# Altium PCB PCB.PcbDoc (part 4 of 4) (continued)
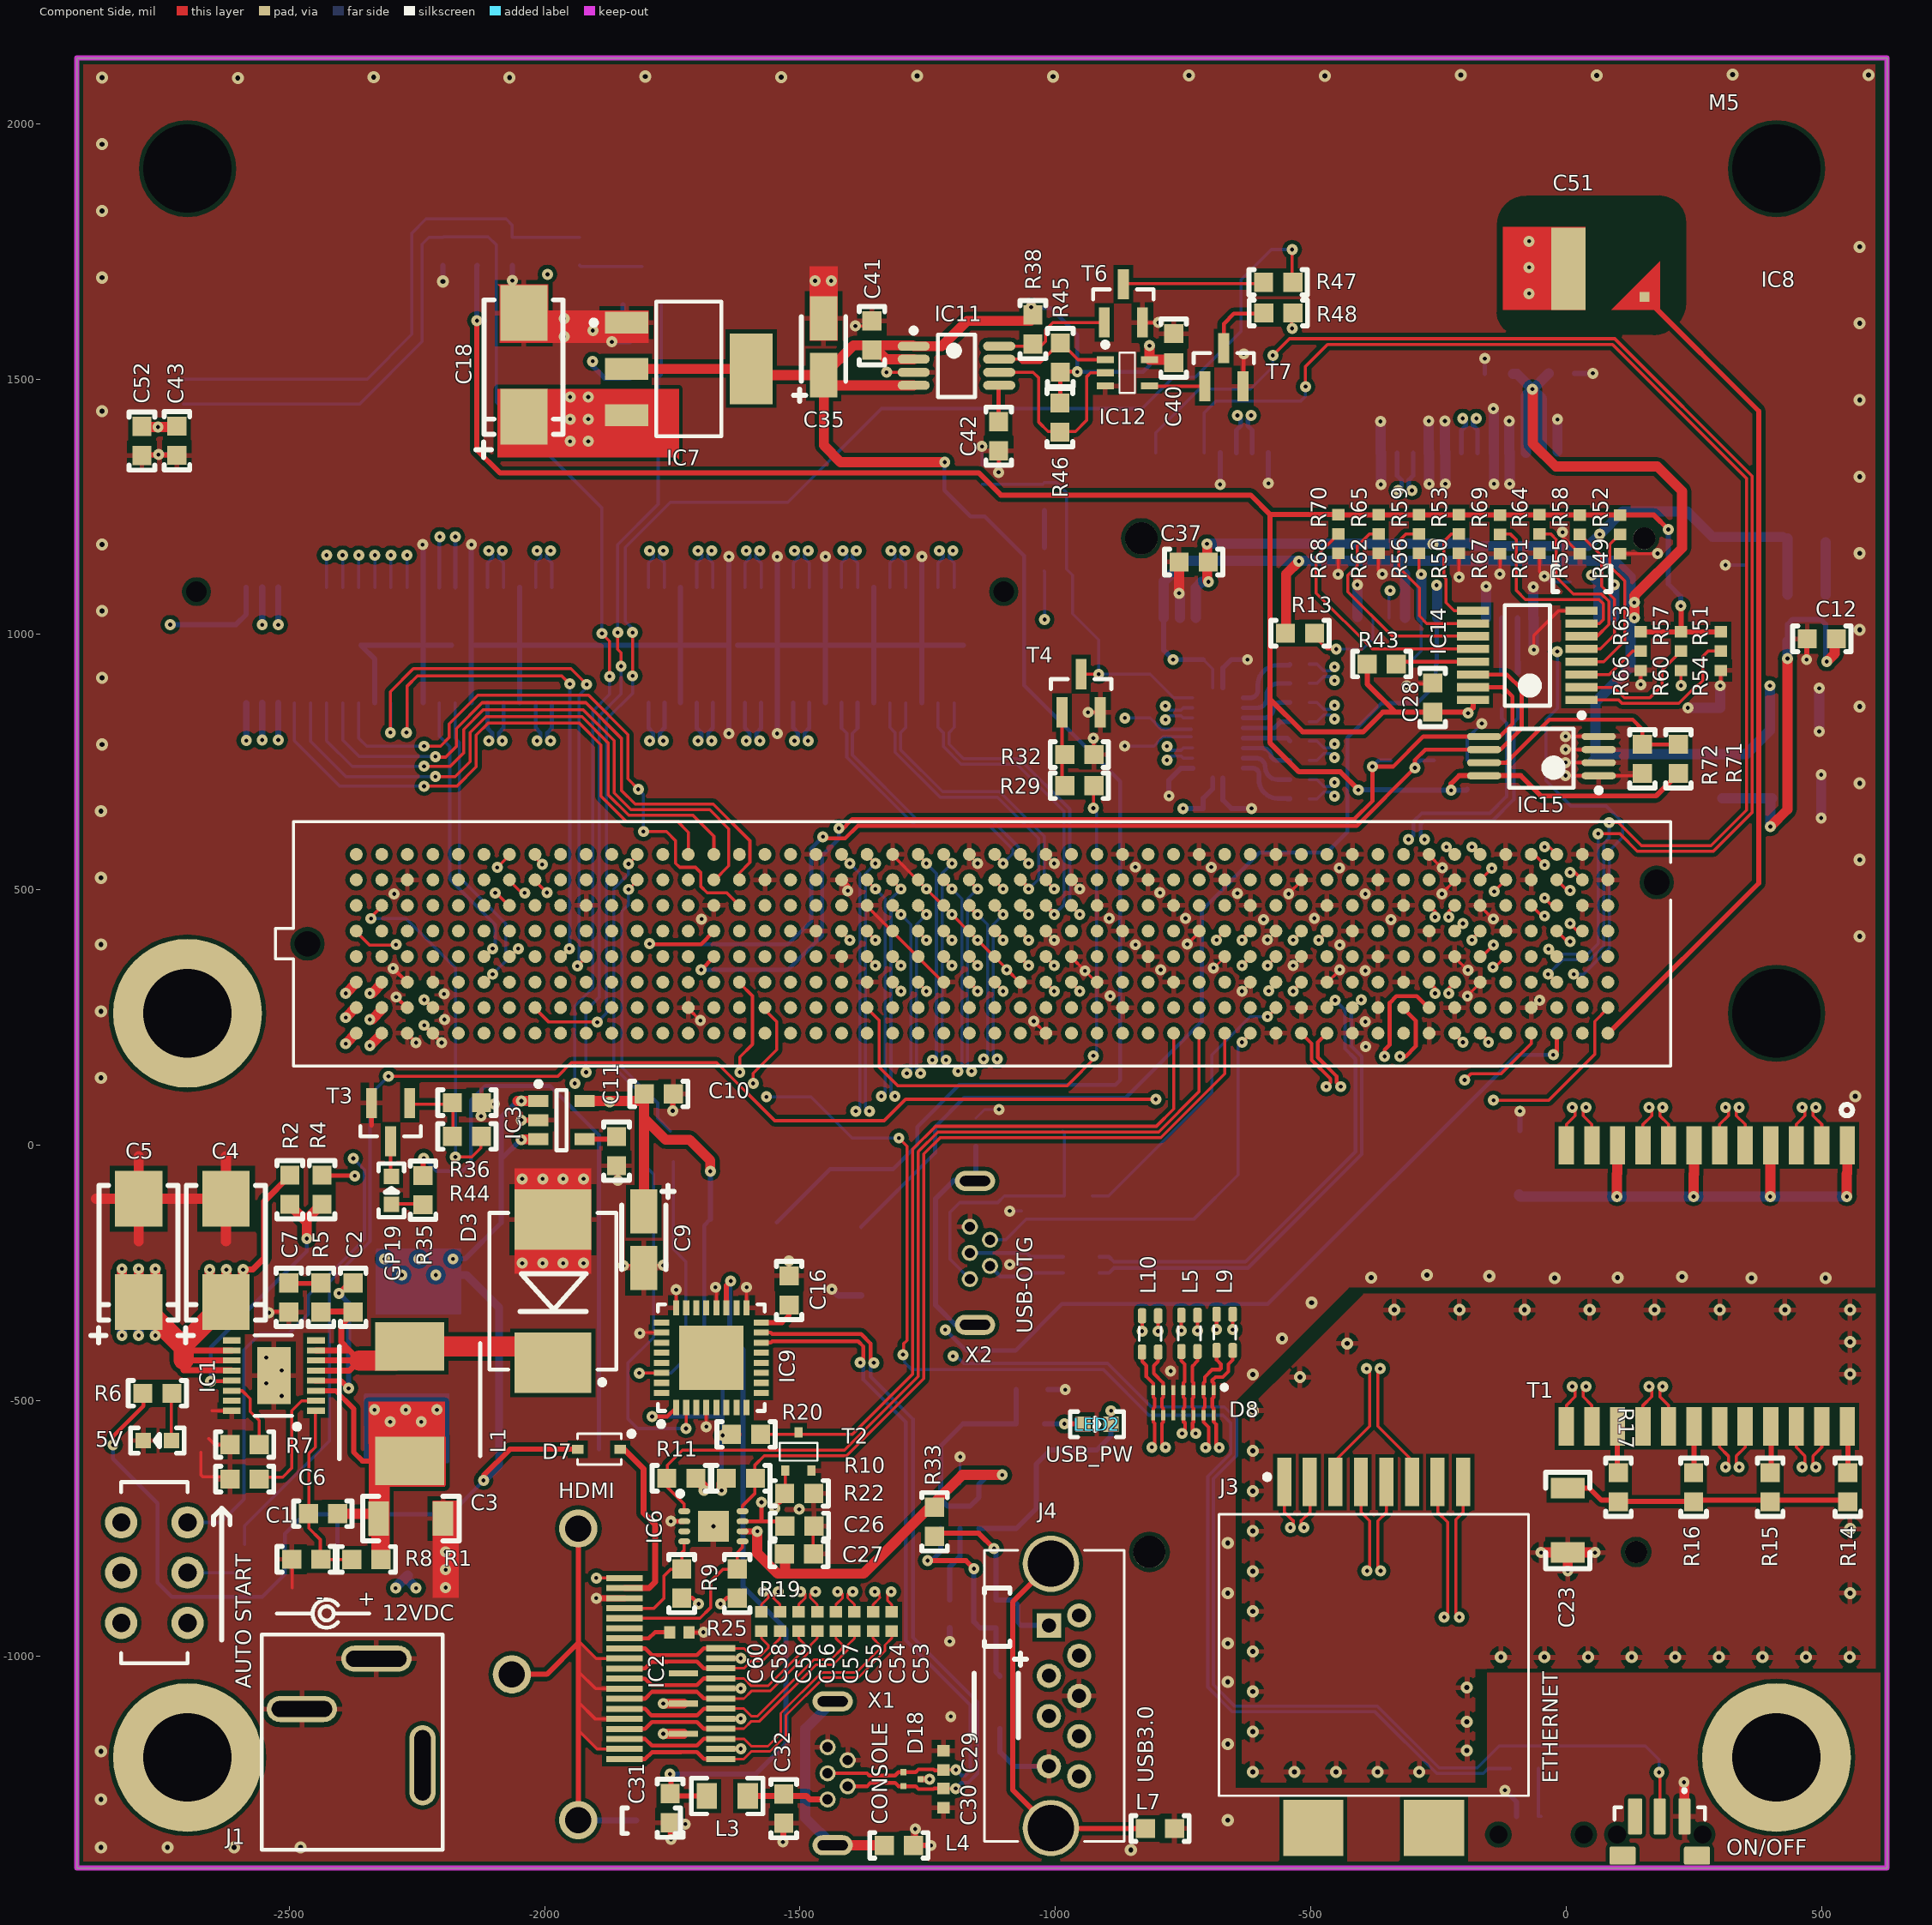
[diagram p0: Component Side view]
## Nets (pads, with @x,y where several pads share a name; then routed paths per layer and width w, separated by ;. In a path a pad name is that pad's centre, name@x,y a point inside that pad or via, vN(x,y) a via of type N, cw(c..) or ccw(c..) an arc to the next point about the centre after c; other vN are vias at no path point) (continued)
  Component Side w6.89: v1(-706.2,-591.84) -700.26,-585.9 -700.26,-552.02 -710.18,-542.1 D8.13@-710.18,-528.45 -710.18,-515.1 -707.72,-512.64 -707.72,-495.56 -710.18,-493.1 D8.13@-710.18,-479.24 -710.18,-465.1 -707.72,-462.64 -707.72,-453.73 -693.07,-439.08 -678.4,-439.08 -676.16,-436.84 -676.16,-428.47 -684.53,-420.1 L9.3@-684.53,-401.56
  Fast Signals w5.98: J4.6@-953.78,-1156.54 -919.9,-1190.41 -801.77,-1190.41 -698.37,-1087.01 -698.37,-599.68 v1(-706.2,-591.84)
USB3_RX_N: IC8.F44 L9.1 | length 1049.9
  Component Side w6.89: v1(-653.03,-360.87) L9.1@-653.03,-330.69 ; v1(-230.37,446.85) -230.37,457.78 IC8.F44@-218.66,469.49
  Fast Signals w5.98: v1(-653.03,-360.87) -663.29,-350.62 -663.29,-294.26 -286.95,82.08 -286.95,317.14 -238.17,365.92 -238.17,439.06 v1(-230.37,446.85)
  Fast Signals w7.01: v1@-230.37,445.93 v1(-230.37,446.85)
USB3_RX_P: IC8.F43 L9.2 | length 1049
  Component Side w6.89: v1(-684.53,-360.87) L9.2@-684.53,-330.69 ; IC8.F43@-268.66,469.49 -256.95,457.78 v1(-256.95,446.85)
  Fast Signals w5.98: v1(-684.53,-360.87) -674.27,-350.62 -674.27,-289.71 -297.93,86.63 -297.93,321.69 -249.15,370.47 -249.15,439.06 v1(-256.95,446.85)
USB3_TX_L_N: D8.9 J4.8 L10.2 | length 1024.7
  Component Side w6.89: L10.2@-799.03,-404.56 -799.03,-423.1 -807.4,-431.47 -807.4,-446.63 -788.92,-465.1 D8.9@-788.92,-479.24 -788.92,-493.1 -791.38,-495.56 -791.38,-512.64 -788.92,-515.1 D8.9@-788.92,-528.45 -788.92,-542.1 -791.38,-544.56 -791.38,-584.41 v1(-784.67,-591.13)
  Fast Signals w5.98: J4.8@-953.78,-999.05 -919.9,-965.17 -905.1,-965.17 -874.43,-995.85 -813.51,-995.85 -779.92,-962.25 -776.7,-959.04 -776.7,-906.68 -779.92,-903.46 -829.72,-853.66 -876.58,-853.66 -910.33,-819.91 -910.33,-776.85 -957.71,-729.48 -957.71,-686.69 -920.91,-649.89 -818.31,-649.89 -792.5,-624.09 -792.5,-598.96 v1(-784.67,-591.13)
USB3_TX_L_P: D8.8 J4.9 L10.1 | length 1003.8
  Component Side w6.89: L10.1@-830.53,-404.56 -830.53,-423.1 -822.16,-431.47 -822.16,-452.74 -808.61,-466.3 D8.8@-808.61,-479.24 -808.61,-493.1 -806.15,-495.56 -806.15,-512.64 -808.61,-515.1 D8.8@-808.61,-528.45 -808.61,-542.1 -806.15,-544.56 -806.15,-585.95 v1(-811.32,-591.13)
  Fast Signals w5.98: J4.9@-953.78,-920.31 -919.9,-954.18 -900.55,-954.18 -869.88,-984.86 -818.06,-984.86 -787.69,-954.49 -787.69,-911.23 -834.27,-864.64 -881.13,-864.64 -921.32,-824.46 -921.32,-781.4 -965.48,-737.24 -968.69,-734.03 -968.69,-682.14 -925.46,-638.91 -822.86,-638.91 -803.48,-619.54 -803.48,-598.96 v1(-811.32,-591.13)
USB3_TX_N: IC8.C44 L10.3 | length 1302.7
  Component Side w6.89: v1(-799.03,-363.87) L10.3@-799.03,-333.69 ; v1(-230.37,297.24) -230.37,307.78 IC8.C44@-218.66,319.49
  Fast Signals w5.98: v1(-799.03,-363.87) -809.29,-353.62 -809.29,-342.19 -826.79,-324.69 -850.54,-324.69 -870.73,-344.89 -870.73,-369.52 -833.22,-407.03 -644.22,-407.03 -606.71,-369.52 -606.71,-313.03 -238.17,55.51 -238.17,289.45 v1(-230.37,297.24)
USB3_TX_P: IC8.C43 L10.4 | length 1229.9
  Component Side w6.89: v1(-830.53,-363.87) L10.4@-830.53,-333.69 ; IC8.C43@-268.66,319.49 -256.95,307.78 v1(-256.95,297.24)
  Fast Signals w5.98: v1(-830.53,-363.87) -820.27,-353.62 -820.27,-346.74 -831.34,-335.68 -845.99,-335.68 -859.75,-349.44 -859.75,-364.98 -828.67,-396.05 -648.77,-396.05 -617.69,-364.98 -617.69,-308.48 -249.15,60.06 -249.15,289.45 v1(-256.95,297.24)
USB_D_N: C30.2 D18.2 IC9.15 X1.2 | length 1444.2
  Component Side w5: C30.2@-1217.55,-1259.09 v3(-1195.3,-1259.09)
  Component Side w7.09: IC9.15@-1576.11,-366.63 -1557.3,-366.63 -1554.54,-369.39 -1380.39,-369.39 -1361.78,-388 -1361.78,-419.62 v1(-1355.55,-425.84) ; X1.2@-1397.61,-1245.84 X1.2@-1406.69,-1254.92 -1368.75,-1254.92 -1361.75,-1247.93 -1313.99,-1247.93 -1307.3,-1254.62 D18.2@-1297.28,-1254.62 -1273.82,-1254.62 -1268.31,-1260.13 -1238.56,-1260.13 -1237.37,-1258.95 C30.2@-1217.55,-1258.95
  Solder Side w7.09: v1(-1355.55,-425.84) -1361.78,-432.07 -1361.78,-453.11 -1278.93,-535.95 -1278.93,-963.25 -1152.53,-1089.65 -1152.53,-1229.51 -1170.95,-1247.93 -1184.14,-1247.93 v3(-1195.3,-1259.09)
USB_D_P: C29.2 D18.1 IC9.14 X1.3 | length 1423.1
  Component Side w5: C29.2@-1217.55,-1222.6 v3(-1194.8,-1222.6)
  Component Side w7.09: IC9.14@-1576.11,-386.32 -1557.3,-386.32 -1554.54,-383.56 -1386.26,-383.56 -1375.95,-393.87 -1375.95,-419.16 v1(-1382.17,-425.38) ; X1.3@-1446.06,-1229.33 -1368.88,-1229.33 -1364.46,-1233.76 -1313.99,-1233.76 -1307.3,-1227.06 D18.1@-1297.28,-1227.06 -1273.82,-1227.06 -1268.31,-1221.55 -1238.56,-1221.55 -1236.37,-1223.74 C29.2@-1217.55,-1223.74
  Solder Side w7.09: v1(-1382.17,-425.38) -1375.95,-431.61 -1375.95,-458.98 -1293.11,-541.82 -1293.11,-969.12 -1166.7,-1095.52 -1166.7,-1223.64 -1176.82,-1233.76 -1183.64,-1233.76 v3(-1194.8,-1222.6)
USB_VBUS_EN: IC8.A18
VCC_USB: J4.1 L6.2 R33.1 | length 386.8
  Component Side w10: R33.1@-1241.55,-759.34 -1150.3,-759.34 v1(-1120.28,-789.37)
  Solder Side w10: v1(-1120.28,-789.37) -1116.55,-793.09 -1116.55,-889.84 -1083.55,-889.84 -1073.15,-900.24 -1073.15,-933.84 -1067,-940 J4.1@-1012.83,-940 J4.1@-1017.68,-944.84
VCC_USB0: R37.1 TP12.1 X2.1 | length 511.3
  Solder Side w6: X2.1@-1167.52,-261.81 -1206.89,-222.44 -1206.89,-131.89 -1187.2,-112.2 -1112.88,-112.2 -1099.8,-99.13 -982.78,-99.13 -982.78,24.39 TP12.1@-985.55,27.16
VDD_RTC: C51.1 IC8.A50 | length 1657.9
  Component Side w10: IC8.A50@81.34,217.91 376.6,513.17 376.6,1437.1 C51.1@152.87,1660.83
VIN: C4.1 C5.1 C18.1 D4.C IC1.VIN IC7.3 IC8.A1 IC8.A2 IC8.B1 IC8.B2 IC8.C1 IC8.C2 J1.1 J2.75 J2.76 J2.77 J2.78 J2.79 R2.2 TP1.1 | length 2061.3
  Component Side w11.81: -2706.55,-420.18 -2705.47,-421.26 IC1.VIN@-2612.22,-421.26 ; -2706.55,-395.02 -2700,-401.57 IC1.VIN@-2612.22,-401.57 ; -2706.36,-439.96 -2706.13,-440.19 -2612.98,-440.19 IC1.VIN@-2612.22,-440.94 ; v3(-2590.21,-243.25) -2571.2,-243.25 -2548.58,-220.63 -2548.58,-109.38 R2.2@-2498.55,-59.34
  Component Side w19.68: v3(-2827.17,-241.73) -2827.17,-274.41 C5.1@-2794.55,-307.02 ; v3(-2794.55,-241.73) C5.1@-2794.55,-307.02 ; v3(-2761.94,-241.73) -2761.94,-274.41 C5.1@-2794.55,-307.02 ; -2706.55,-395.02 -2706.55,-390.02 ; v3(-2655.44,-243.25) -2655.44,-275.92 C4.1@-2622.83,-308.54 ; v3(-2622.83,-243.25) C4.1@-2622.83,-308.54 ; v3(-2590.21,-243.25) -2590.21,-275.92 C4.1@-2622.83,-308.54 ; v1@-2338.15,297.24 IC8.C2@-2317.48,317.91
  Component Side w20: v1(-2389.33,198.82) IC8.A1@-2368.66,219.49 ; v1(-2389.33,250) IC8.B1@-2368.66,270.67 ; v1(-2389.33,297.24) IC8.C1@-2368.66,317.91 ; v1(-2342.09,194.88) IC8.A2@-2321.42,215.55 ; v1@-2338.15,246.06 IC8.B2@-2317.48,266.73
  Component Side w39.37: C5.1@-2794.55,-307.02 -2706.55,-395.02 -2706.55,-420.18 ; -2706.55,-390.02 C4.1@-2623.55,-307.02
  Solder Side w12: v1(-2583.78,792.28) J2.79@-2583.78,865.3 ; v1(-2552.78,793.28) -2552.78,866.3 J2.77@-2552.72,866.3 ; v1(-2552.78,1018.87) -2552.78,1091.89 J2.78@-2552.72,1091.89 ; v1(-2521.28,793.28) -2521.28,866.3 J2.75@-2521.22,866.3 ; v1(-2521.28,1018.87) -2521.28,1091.89 J2.76@-2521.22,1091.89
  Solder Side w19.68: v3(-2827.17,-372.32) -2827.17,-339.64 D4.C@-2794.55,-307.02 ; v3(-2794.55,-372.32) D4.C@-2794.55,-307.02 ; v3(-2761.94,-372.32) -2761.94,-339.64 D4.C@-2794.55,-307.02 ; v1@-2289.96,-863.66 TP1.1@-2267.96,-841.66 ; TP1.1@-2269.55,-844.84 -2269.55,-848.84 v1(-2251.55,-866.84)
  other v1: -2291.55,-866.84 -2342.09,246.06 -2342.09,297.24 -1949.92,1378.11 -1914.49,1378.11 -1949.92,1421.42 -1914.49,1421.42 -1949.92,1464.72 -1914.49,1464.72
VIN_PWR_BAD: IC8.B8 R47.2 | length 2769.3
  Component Side w6: IC8.B8@-2018.66,267.91 -1992.62,241.87 -1897.78,241.87 v1(-1896.78,240.87) ; v1(-1827.78,918.87) v1(-1827.78,1003.87) ; R47.2@-536.78,1678.87 v1(-536.78,1753.46)
  Solder Side w6: v1(-1896.78,240.87) -1878.78,258.87 -1878.78,833.87 -1827.78,884.87 v1(-1827.78,918.87) ; v1(-1827.78,1003.87) -1827.78,1011.72 -1841.78,1025.72 -1841.78,1170.87 -1753.78,1258.87 -1523.78,1258.87 -1340.5,1442.16 -830.55,1442.16 -769.04,1503.67 -726.04,1503.67 -636.55,1593.16 -636.55,1694.16 -577.2,1753.51 v1@-545.07,1753.51
pads on no net: "AUTO START.4" "AUTO START.5" "AUTO START.6" D2.1 HDMI.14 IC1.8 IC1.9 IC1.15 IC2.15 IC6.3 IC8.0 IC8.A5 IC8.A6 IC8.A7 IC8.A8 IC8.A9 IC8.A10 IC8.A11 IC8.A12 IC8.A13 IC8.A14 IC8.A15 IC8.A16 IC8.A17 IC8.A19 IC8.A22 IC8.A23 IC8.A24 IC8.A25 IC8.A26 IC8.A27 IC8.A29 IC8.A30 IC8.A31 IC8.A32 IC8.A41 IC8.A42 IC8.A46 IC8.A49 IC8.B5 IC8.B6 IC8.B7 IC8.B9 IC8.B10 IC8.B11 IC8.B12 IC8.B13 IC8.B15 IC8.B16 IC8.B18 IC8.B19 IC8.B20 IC8.B22 IC8.B23 IC8.B24 IC8.B25 IC8.B26 IC8.B27 IC8.B28 IC8.B29 IC8.B30 IC8.B32 IC8.B34 IC8.B35 IC8.B36 IC8.B45 IC8.B46 IC8.B48 IC8.B49 IC8.C5 IC8.C7 IC8.C8 IC8.C9 IC8.C10 IC8.C11 IC8.C12 IC8.C13 IC8.C14 IC8.C15 IC8.C17 IC8.C18 IC8.C19 IC8.C20 IC8.C31 IC8.C32 IC8.C34 IC8.C35 IC8.C40 IC8.C41 IC8.C46 IC8.C47 IC8.C50 IC8.D1 IC8.D2 IC8.D3 IC8.D4 IC8.D5 IC8.D8 IC8.D11 IC8.D12 IC8.D13 IC8.D14 IC8.D16 IC8.D17 IC8.D18 IC8.D19 IC8.D30 IC8.D31 IC8.D33 IC8.D34 IC8.D39 IC8.D40 IC8.D42 IC8.D43 IC8.D47 IC8.D49 IC8.D50 IC8.E2 IC8.E3 IC8.E4 IC8.E5 IC8.E6 IC8.E7 IC8.E8 IC8.E9 IC8.E10 IC8.E11 IC8.E12 IC8.E13 IC8.E14 IC8.E16 IC8.E17 IC8.E18 IC8.E29 IC8.E30 IC8.E32 IC8.E33 IC8.E41 IC8.E42 IC8.E50 IC8.F1 IC8.F3 IC8.F4 IC8.F5 IC8.F6 IC8.F8 IC8.F9 IC8.F11 IC8.F12 IC8.F13 IC8.F14 IC8.F20 IC8.F31 IC8.F32 IC8.F34 IC8.F35 IC8.F37 IC8.F38 IC8.F40 IC8.F41 IC8.F46 IC8.G1 IC8.G2 IC8.G4 IC8.G5 IC8.G6 IC8.G9 IC8.G10 IC8.G11 IC8.G13 IC8.G14 IC8.G30 IC8.G31 IC8.G33 IC8.G34 IC8.G36 IC8.G37 IC8.G39 IC8.G40 IC8.G42 IC8.G43 IC8.H1 IC8.H2 IC8.H3 IC8.H4 IC8.H5 IC8.H6 IC8.H9 IC8.H10 IC8.H11 IC8.H13 IC8.H16 IC8.H29 IC8.H30 IC8.H32 IC8.H33 IC8.H35 IC8.H36 IC8.H38 IC8.H39 IC8.H41 IC8.H42 IC8.H50 IC9.3 IC9.5 IC9.6 IC9.7 IC9.8 IC9.9 IC9.10 IC9.11 IC9.12 IC9.13 IC9.18 IC9.21 IC9.22 IC9.23 IC9.25 IC9.27 IC9.28 IC9.29 IC9.31 IC9.32 IC9.33 IC13.21 J2.0 J2.72 J2.74 J3.Z1 J3.Z2 J5. J5.3 J5.5 J5.8 J5.10 J5.12 J5.14 J5.16 J5.17 J5.19 J5.30 J5.32 J5.42 J5.44 J5.45 J5.46 J5.47 J5.49 J5.51 J5.x J6.M1 J6.M2 M1.1 M2.1 M3.1 M4.1 M6.1 M7.1 ON/OFF.3 ON/OFF.10 ON/OFF.11 ON/OFF.SH1 ON/OFF.SH2 REC.3 REC.10 REC.11 REC.SH1 REC.SH2

## Polygon pours and split planes (outlines as drawn)
no net on Top Solder "AntmicroLogo" (solid, pour order 21): 34 vertices, not listed, extent -518.02,-98.82 -476.04,-37.71
no net on Top Solder "AntmicroLogo" (solid, pour order 22): 19 vertices, not listed, extent -463.1,-97.71 -420.25,-37.71
no net on Top Solder "AntmicroLogo" (solid, pour order 23): 24 vertices, not listed, extent -413.79,-98.27 -387.12,-22.28
no net on Top Solder "AntmicroLogo" (solid, pour order 25): 113 vertices, not listed, extent -378.25,-97.81 -282.32,-37.62
no net on Top Solder "AntmicroLogo" (solid, pour order 27): -289.48,-97.71 -279.87,-97.71 -279.87,-38.79 -289.48,-38.79
no net on Top Solder "AntmicroLogo" (solid, pour order 29): 39 vertices, not listed, extent -270.91,-98.82 -234.83,-37.71
no net on Top Solder "AntmicroLogo" (solid, pour order 31): -225.55,-97.71 -225.55,-41.85 -216.77,-38.84 -205.44,-37.71 -202.25,-37.82 -200.3,-38.02 -202.48,-45.24 -205.32,-44.5 -208.49,-44.26 -212.42,-44.61 -215.93,-45.79 -215.93,-97.71
no net on Top Solder "AntmicroLogo" (solid, pour order 33): 33 vertices, not listed, extent -198.92,-98.82 -152.35,-37.71
no net on Top Solder "AntmicroLogo" (solid, pour order 34): 205 vertices, not listed, extent -637.35,-102.42 -538.49,-33.14
no net on Top Solder "AntmicroLogo" (solid, pour order 35): 319 vertices, not listed, extent -684.18,-152.34 -536.53,16.78
no net on Bottom Solder "AntmicroLogo" (solid, pour order 2): 34 vertices, not listed, extent -985.33,1818.45 -926.55,1904
no net on Bottom Solder "AntmicroLogo" (solid, pour order 18): 205 vertices, not listed, extent -842.37,-864.94 1980.51,1913.7
no net on Bottom Solder "AntmicroLogo" (solid, pour order 34): 319 vertices, not listed, extent -907.94,1746.82 -701.24,1983.58
no net on Bottom Solder "AntmicroLogo" (solid, pour order 16): 33 vertices, not listed, extent -1470.89,1818.14 -1405.69,1903.69
no net on Bottom Solder "AntmicroLogo" (solid, pour order 8): 113 vertices, not listed, extent -1243.35,-877.43 1600.75,1902.79
no net on Bottom Solder "AntmicroLogo" (solid, pour order 4): 19 vertices, not listed, extent -1061.86,1818.65 -1001.86,1902.66
no net on Bottom Solder "AntmicroLogo" (solid, pour order 6): 24 vertices, not listed, extent -1114.8,1819.28 -1077.45,1925.66
no net on Bottom Solder "AntmicroLogo" (solid, pour order 10): -1261.04,1818.65 -1274.5,1818.65 -1274.5,1901.13 -1261.04,1901.13
no net on Bottom Solder "AntmicroLogo" (solid, pour order 12): 39 vertices, not listed, extent -1341.56,1817.84 -1291.04,1903.39
no net on Bottom Solder "AntmicroLogo" (solid, pour order 14): -1360.3,1818.65 -1360.3,1896.85 -1372.6,1901.07 -1388.46,1902.66 -1392.92,1902.49 -1395.66,1902.21 -1392.6,1892.11 -1388.62,1893.15 -1384.19,1893.49 -1378.69,1892.99 -1373.77,1891.34 -1373.77,1818.65
no net on Bottom Solder "AntmicroLogo" (solid, pour order 2): 34 vertices, not listed, extent -985.89,1818.31 -927.11,1903.86
no net on Bottom Solder "AntmicroLogo" (solid, pour order 18): 205 vertices, not listed, extent -842.93,-864.94 1980.51,1913.55
no net on Bottom Solder "AntmicroLogo" (solid, pour order 34): 319 vertices, not listed, extent -908.51,1746.68 -701.8,1983.44
no net on Bottom Solder "AntmicroLogo" (solid, pour order 16): 33 vertices, not listed, extent -1471.46,1818 -1406.25,1903.55
no net on Bottom Solder "AntmicroLogo" (solid, pour order 8): 113 vertices, not listed, extent -1243.91,-877.43 1600.75,1902.64
no net on Bottom Solder "AntmicroLogo" (solid, pour order 4): 19 vertices, not listed, extent -1062.42,1818.51 -1002.42,1902.51
no net on Bottom Solder "AntmicroLogo" (solid, pour order 6): 24 vertices, not listed, extent -1115.36,1819.14 -1078.02,1925.51
no net on Bottom Solder "AntmicroLogo" (solid, pour order 10): -1261.6,1818.51 -1275.06,1818.51 -1275.06,1900.99 -1261.6,1900.99
no net on Bottom Solder "AntmicroLogo" (solid, pour order 12): 39 vertices, not listed, extent -1342.12,1817.7 -1291.6,1903.25
no net on Bottom Solder "AntmicroLogo" (solid, pour order 14): -1360.86,1818.51 -1360.86,1896.71 -1373.16,1900.93 -1389.02,1902.51 -1393.48,1902.35 -1396.22,1902.07 -1393.16,1891.96 -1389.18,1893 -1384.75,1893.34 -1379.25,1892.85 -1374.33,1891.2 -1374.33,1818.51
SHIELD_HDMI on Component Side "Solder Side-No Net" (solid, pour order 82): -1934.09,-969.69 -1899.21,-1004.57 -1808.13,-1004.57 -1808.02,-1004.69 -1808.02,-1182.69 -1896.09,-1182.69 -1897.05,-1181.73 -1934.09,-1144.69
GND on Component Side "Solder Side-No Net" (solid, pour order 70): -2915.55,2128.46 621.45,2128.46
GND on Component Side "Bottom Layer-No Net" (solid, pour order 67): -658.55,-1257.74 -155.16,-1257.74 -155.16,-1032.39 627.76,-1032.39 627.76,-1414.84 627.76,-1409.95 -658.26,-1409.95
ETH_GND on Component Side "Bottom Layer-No Net" (solid, pour order 71): -632.87,-1247.31 -178.18,-1247.31 -178.18,-1019.96 -178.18,-1024.51 604.95,-1024.51 604.95,-290.75 541.05,-290.75 -397.85,-290.75 -397.85,-292.28 -635.01,-529.45 -635.01,-1247.15
GND on Component Side "Bottom Layer-No Net" (solid, pour order 73): -2915.55,-1414.84 -647.57,-1414.84 -647.57,-540.73 -647.57,-500.83 -428.7,-281.96 -424.99,-278.24 604.54,-278.24 604.54,2133.77 -2906.19,2133.77 -2915.55,2133.77 -2915.55,-1414.84
VIN on Solder Side "VIN" (solid, pour order 80): 17 vertices, not listed, extent -2617.34,-7.91 -2309.7,1145.64
SHIELD_HDMI on Solder Side "Top Layer-No Net" (solid, pour order 81): -1787.3,-685.19 -1792.3,-680.19 -2152.3,-680.19 -2152.3,-1385.19 -1787.3,-1385.19
VIN on Solder Side "Component Side-No Net" (solid, pour order 79): -2866.55,-272.84 -2551.01,-272.84 -2551.01,-169.84 -2551.01,-166.15 -2401.6,-166.15 -2400.55,-166.15 -2400.55,-108.84 -2400.55,-95.84 -2866.55,-95.84
VIN on Solder Side "Component Side-No Net" (solid, pour order 84): -2865.55,-270.84 -2550.01,-270.84 -2550.01,-167.84 -2550.01,-164.15 -2400.6,-164.15 -2399.55,-164.15 -2399.55,-106.84 -2399.55,-93.84 -2865.55,-93.84
VIN on Solder Side "Solder Side-No Net" (solid, pour order 83): -2510.55,77.42 -2399.55,77.42 -2399.55,-163.16 -2399.55,-164.84 -2510.55,-164.84
VIN on Solder Side "Solder Side-No Net" (solid, pour order 86): -2561.22,1045.28 -2510.04,1045.28 -2510.04,1198.82 -1927.36,1198.82 -1927.36,1332.68 -2277.76,1332.68 -2561.22,1332.68
SHIELD_HDMI on Solder Side "Top Layer-No Net" (solid, pour order 89): -1786.3,-683.19 -1791.3,-678.19 -2151.3,-678.19 -2151.3,-1383.19 -1786.3,-1383.19
VIN on Solder Side "Solder Side-No Net" (solid, pour order 87): 17 vertices, not listed, extent -2616.34,-5.91 -2308.7,1147.64
VIN on Solder Side "Solder Side-No Net" (solid, pour order 69): -2399.8,84.65 -2399.8,-5.91
GND on Solder Side "Bottom Layer-No Net" (solid, pour order 68): 627.76,-1414.84 -2915.55,-1414.84 -2915.55,2128.46 626.72,2128.46 626.72,-293.44 -425.42,-293.44 -643.69,-511.71 -640.62,-514.79 -640.62,-1251.82 -164.89,-1251.82 -164.89,-1027.41 -164.89,-1032.02 627.48,-1032.02
no net on Solder Side "Bottom Layer-No Net" (solid, pour order 72): -640.06,-1250.81 -185.36,-1250.81 -185.36,-1023.47 -185.36,-1028.02 597.76,-1028.02 597.76,-294.26 533.87,-294.26 -405.04,-294.26 -405.04,-295.79 -642.2,-532.96 -642.2,-1250.66
VIN on Dummy Layer "Bottom Layer-No Net" (solid, pour order 59): 47 vertices, not listed, extent -2835.04,-1354.33 -1861.81,1502.36
ETH_GND on Top GND (split plane): 17 vertices, not listed, extent -637.92,-1250.1 607.66,-296.3
GND on Top GND (split plane): 33 vertices, not listed, extent -2895.45,-1394.75 607.66,2108.37
ETH_GND on Bottom GND (split plane): 17 vertices, not listed, extent -642.68,-1251.41 607.66,-297.22
GND on Bottom GND (split plane): 26 vertices, not listed, extent -2895.45,-1394.75 607.66,2108.37

## Keep-outs
Keep-Out Layer:
  the board outline again, w10

## Other copper
Component Side:
  region net GND: 37.2,1797.24 37.2,1635.83 -124.21,1635.83 -124.21,1797.24
  region net GND: -1481.42,1574.96 -1426.3,1574.96 -1426.3,1720.63 -1481.42,1720.63
  region net VIN: -2091.65,1480.47 -1737.32,1480.47 -1737.32,1342.68 -1741.26,1346.61 -2091.65,1346.61
  region net GND: -1796.38,1634.02 -1796.38,1571.02 -2087.72,1571.02 -2087.72,1681.26 -2091.65,1685.2 -1993.23,1685.2 -1993.23,1634.02
  region net NetC1_2: -2343.78,-668.21 -2195.08,-668.21 -2195.08,-501.97 -2344.69,-501.97
  region net GND: -2218.78,-695.71 -2218.78,-885.71 -2168.78,-885.71 -2168.78,-695.71
  region net NetC1_2: -2303.78,-825.71 -2303.78,-665.71 -2193.78,-665.71 -2193.78,-570.71 -2343.78,-570.71 -2343.78,-765.71 -2338.78,-765.71 -2338.78,-825.71
  region net GND: -2058.78,-45.71 -1908.78,-45.71 -1908.78,-250.71 -2058.78,-250.71
  pour cut-out: 182.22,1858.87 cw(c182.22,1806.87) 234.22,1806.87 234.22,1650.87 cw(c169.22,1650.87) 169.22,1585.87 -90.78,1585.87 cw(c-90.78,1630.87) -135.78,1630.87 -135.78,1800.87 cw(c-77.78,1800.87) -77.78,1858.87
Fast Signals:
  region net 5V0: -2344.69,-328.74 -2344.69,-198.82 -2151.77,-198.82 -2151.77,-332.68
  region net 5V0: -2345.69,-329.74 -2345.69,-199.82 -2152.77,-199.82 -2152.77,-333.68
Solder Side:
  region net 5V0: -2328.94,-202.76 -2328.94,-328.74 -2163.58,-328.74 -2163.58,-202.76
  region net NetC1_2: -2352.56,-486.22 -2352.56,-620.08 -2187.2,-620.08 -2187.2,-486.22
  region net NetC1_2: -2353.56,-488.22 -2353.56,-622.08 -2188.2,-622.08 -2188.2,-488.22
  region net 5V0: -2329.94,-204.76 -2329.94,-330.74 -2164.58,-330.74 -2164.58,-204.76
Bottom GND (plane layer: these items are gaps in the copper):
  lines w10: 612.01,-844.49 612.01,-1032.45 -159.78,-1032.45 -159.78,-1088.58 -159.78,-1256.5 -647.78,-1256.5 -647.78,-652.61 -647.78,-517.89 -422.02,-292.13 630.76,-292.13 630.76,-292.54 622.76,-292.54 622.76,-289.54 627.76,-289.54 627.76,-291.54
Top GND (plane layer: these items are gaps in the copper):
  lines w10: -158.01,-1081.06 -158.01,-1255.2 -222.55,-1255.2 -643.01,-1255.2 -643.01,-663.06 -643.01,-513.6 -420.62,-291.2 603.6,-291.2 615.99,-303.58 ; -157.83,-1083.87 -158.01,-1083.87 -158.01,-1035.84 614.99,-1035.84 614.99,-923.58

## Silkscreen, mask and mechanical layers (free items; w line width, h text height)
Top Overlay:
  circle w7.87: c-2426.54,-916.32 r13.78
  circle w10: c549.02,68.9 r11.14
  lines w7.87: -2524.45,-916.59 -2458.63,-916.59 ; -2409.29,-916.59 -2343.47,-916.59 ; -2404.66,-900.11 ccw(c-2426.6,-916.79) -2404.42,-933.15
  lines w9.84: -2648.03,-742.52 -2648.03,-726.77 -2631.89,-710.63 ; -2631.89,-968.11 -2631.89,-710.63 ; -2615.75,-742.52 -2615.75,-726.77 -2631.89,-710.63
  text "USB-OTG" at -1045.35,-368.87 h30 r90
  text "USB_PW" at -1019.55,-619.84 h30
  text "+     -" at -2331.58,-876.56 h30 r180
  text "12VDC" at -2318.12,-930.41 h30
  text "USB3.0" at -808.92,-1248.21 h30 r90
  text "ETHERNET" at -16.21,-1249.3 h30 r90
  text "CONSOLE" at -1329.06,-1329.65 h30 r90
Bottom Overlay:
  circle w11.81: c386.22,1251.57 r3.54
  text "FAN" at -2702.36,1561.81 h30 r270
Top Solder:
  pour cut-out: -507.93,-86.09 -508.84,-80.77 -507.22,-74.09 -502.54,-69.39 -495.05,-66.3 -485.01,-64.48 -485.01,-91.26 -486.97,-92.08 -489.34,-92.7 -491.97,-93.09 -494.73,-93.23 -500.82,-92.41 -505.23,-90
  pour cut-out: -187.69,-81.46 -188.62,-77.33 -189.15,-72.8 -189.31,-67.99 -189.15,-63.18 -188.62,-58.67 -187.69,-54.57 -186.33,-50.98 -184.48,-48 -182.11,-45.75 -179.18,-44.32 -175.64,-43.82 -172.1,-44.32 -169.17,-45.75 -166.8,-48 -164.95,-50.98 -163.58,-54.57 -162.66,-58.67 -162.14,-63.18 -161.97,-67.99 -162.14,-72.8 -162.66,-77.33 -163.58,-81.46 -164.95,-85.09 -166.8,-88.11 -169.17,-90.39 -172.1,-91.85 -175.64,-92.36 -179.18,-91.85 -182.11,-90.39 -184.48,-88.11 -186.33,-85.09
  pour cut-out: -593.49,-87.35 ccw(c-591.15,-87.35) -591.15,-89.68 ccw(c-591.15,-87.35) -588.81,-87.35 ccw(c-591.15,-87.35) -591.15,-85.01 ccw(c-591.15,-87.35) -593.49,-87.35 ccw(c-504.91,-85.25)
  pour cut-out: -610.36,-44.53 cw(c-610.36,-39.95) -614.94,-39.95 cw(c-610.36,-39.95) -610.36,-35.38 cw(c-610.36,-39.95) -605.78,-39.95 cw(c-610.36,-39.95) -610.36,-44.53 ccw(c-524.12,-37.86)
  pour cut-out: -629.57,-89.68 cw(c-629.57,-87.35) -631.91,-87.35 cw(c-629.57,-87.35) -629.57,-85.01 cw(c-629.57,-87.35) -627.24,-87.35 cw(c-629.57,-87.35) -629.57,-89.68 ccw(c-543.33,-85.25)
  pour cut-out: -591.15,-50.55 cw(c-591.15,-48.21) -593.49,-48.21 cw(c-591.15,-48.21) -591.15,-45.88 cw(c-591.15,-48.21) -588.81,-48.21 cw(c-591.15,-48.21) -591.15,-50.55 ccw(c-504.91,-46.11)
  pour cut-out: -588.25,-70.12 cw(c-588.25,-67.78) -590.59,-67.78 cw(c-588.25,-67.78) -588.25,-65.44 cw(c-588.25,-67.78) -585.91,-67.78 cw(c-588.25,-67.78) -588.25,-70.12 ccw(c-502.01,-65.68)
  pour cut-out: -610.36,-100.18 cw(c-610.36,-95.61) -614.94,-95.61 cw(c-610.36,-95.61) -610.36,-91.03 cw(c-610.36,-95.61) -605.78,-95.61 cw(c-610.36,-95.61) -610.36,-100.18 ccw(c-524.12,-93.51)
  pour cut-out: -632.49,-70.12 cw(c-632.49,-67.78) -634.83,-67.78 cw(c-632.49,-67.78) -632.49,-65.44 cw(c-632.49,-67.78) -630.15,-67.78 cw(c-632.49,-67.78) -632.49,-70.12 ccw(c-546.25,-65.68)
  pour cut-out: -629.57,-50.55 cw(c-629.57,-48.21) -631.91,-48.21 cw(c-629.57,-48.21) -629.57,-45.88 cw(c-629.57,-48.21) -627.24,-48.21 cw(c-629.57,-48.21) -629.57,-50.55 ccw(c-543.33,-46.11)
  text "TX2 Baseboard" at -510.96,-161.72 h60
  text "Rev. 2.2.1    05/2020" at -510.92,-214.87 h50
Bottom Solder:
  drawing of 3337 lines, arcs and shapes, not listed
  text "TX2 Baseboard" at -930.03,1737.85 h80
  text "Rev. 2.2.1    05/2020" at -939.87,1672.89 h60
PCB Fab Notes:
  drawing of 451 lines, arcs and shapes, not listed
  text "Layer" at 1836.65,1440.16 h60
  text "Name" at 2246.56,1440.16 h60
  text "Material" at 3186.3,1440.16 h60
  text "Thickness" at 4046.07,1440.16 h60
  text "Constant" at 4695.9,1440.16 h60
  text "Board Layer Stack" at 5265.77,1440.16 h60
  text "1" at 1836.65,1320.16 h60
  text "Top Paste" at 2246.56,1320.16 h60
  text "2" at 1836.65,1200.16 h60
  text "Top Overlay" at 2246.56,1200.16 h60
  text "3" at 1836.65,1080.16 h60
  text "Top Solder" at 2246.56,1080.16 h60
  text "Solder Resist" at 3186.3,1080.16 h60
  text "0.010mm" at 4046.07,1080.16 h60
  text "3.5" at 4695.9,1080.16 h60
  text "4" at 1836.65,960.16 h60
  text "Component Side" at 2246.56,960.16 h60
  text "Copper" at 3186.3,960.16 h60
  text "0.035mm" at 4046.07,960.16 h60
  text "5" at 1836.65,840.16 h60
  text "Dielectric 1" at 2246.56,840.16 h60
  text "FR-4" at 3186.3,840.16 h60
  text "0.152mm" at 4046.07,840.16 h60
  text "4.6" at 4695.9,840.16 h60
  text "6" at 1836.65,720.16 h60
  text "Top GND" at 2246.56,720.16 h60
  text "Copper" at 3186.3,720.16 h60
  text "0.035mm" at 4046.07,720.16 h60
  text "7" at 1836.65,600.16 h60
  text "Dielectric 6" at 2246.56,600.16 h60
  text "0.240mm" at 4046.07,600.16 h60
  text "4.6" at 4695.9,600.16 h60
  text "8" at 1836.65,480.16 h60
  text "Dummy Layer" at 2246.56,480.16 h60
  text "Copper" at 3186.3,480.16 h60
  text "0.035mm" at 4046.07,480.16 h60
  text "9" at 1836.65,360.16 h60
  text "Dielectric 5" at 2246.56,360.16 h60
  text "0.500mm" at 4046.07,360.16 h60
  text "4.6" at 4695.9,360.16 h60
  text "10" at 1836.65,240.16 h60
  text "Fast Signals" at 2246.56,240.16 h60
  text "Copper" at 3186.3,240.16 h60
  text "0.035mm" at 4046.07,240.16 h60
  text "11" at 1836.65,120.16 h60
  text "Dielectric 4" at 2246.56,120.16 h60
  text "0.240mm" at 4046.07,120.16 h60
  text "4.6" at 4695.9,120.16 h60
  text "12" at 1836.65,0.16 h60
  text "Bottom GND" at 2246.56,0.16 h60
  text "Copper" at 3186.3,0.16 h60
  text "0.035mm" at 4046.07,0.16 h60
  text "13" at 1836.65,-119.84 h60
  text "Dielectric 3" at 2246.56,-119.84 h60
  text "0.152mm" at 4046.07,-119.84 h60
  text "4.6" at 4695.9,-119.84 h60
  text "14" at 1836.65,-239.84 h60
  text "Solder Side" at 2246.56,-239.84 h60
  text "Copper" at 3186.3,-239.84 h60
  text "0.035mm" at 4046.07,-239.84 h60
  text "15" at 1836.65,-359.84 h60
  text "Bottom Solder" at 2246.56,-359.84 h60
  text "Solder Resist" at 3186.3,-359.84 h60
  text "0.010mm" at 4046.07,-359.84 h60
  text "3.5" at 4695.9,-359.84 h60
  text "16" at 1836.65,-479.84 h60
  text "Bottom Overlay" at 2246.56,-479.84 h60
  text "17" at 1836.65,-599.84 h60
  text "Bottom Paste" at 2246.56,-599.84 h60
Mechanical 14:
  text "PCI latch" at -187.8,-810.63 h30

## Dimensions
-2699.02,-1198.31 to 411.22,-1198.31 on PCB Asm Notes